# Altium PCB PCB_SDR.PcbDoc (part 3 of 6) (continued)
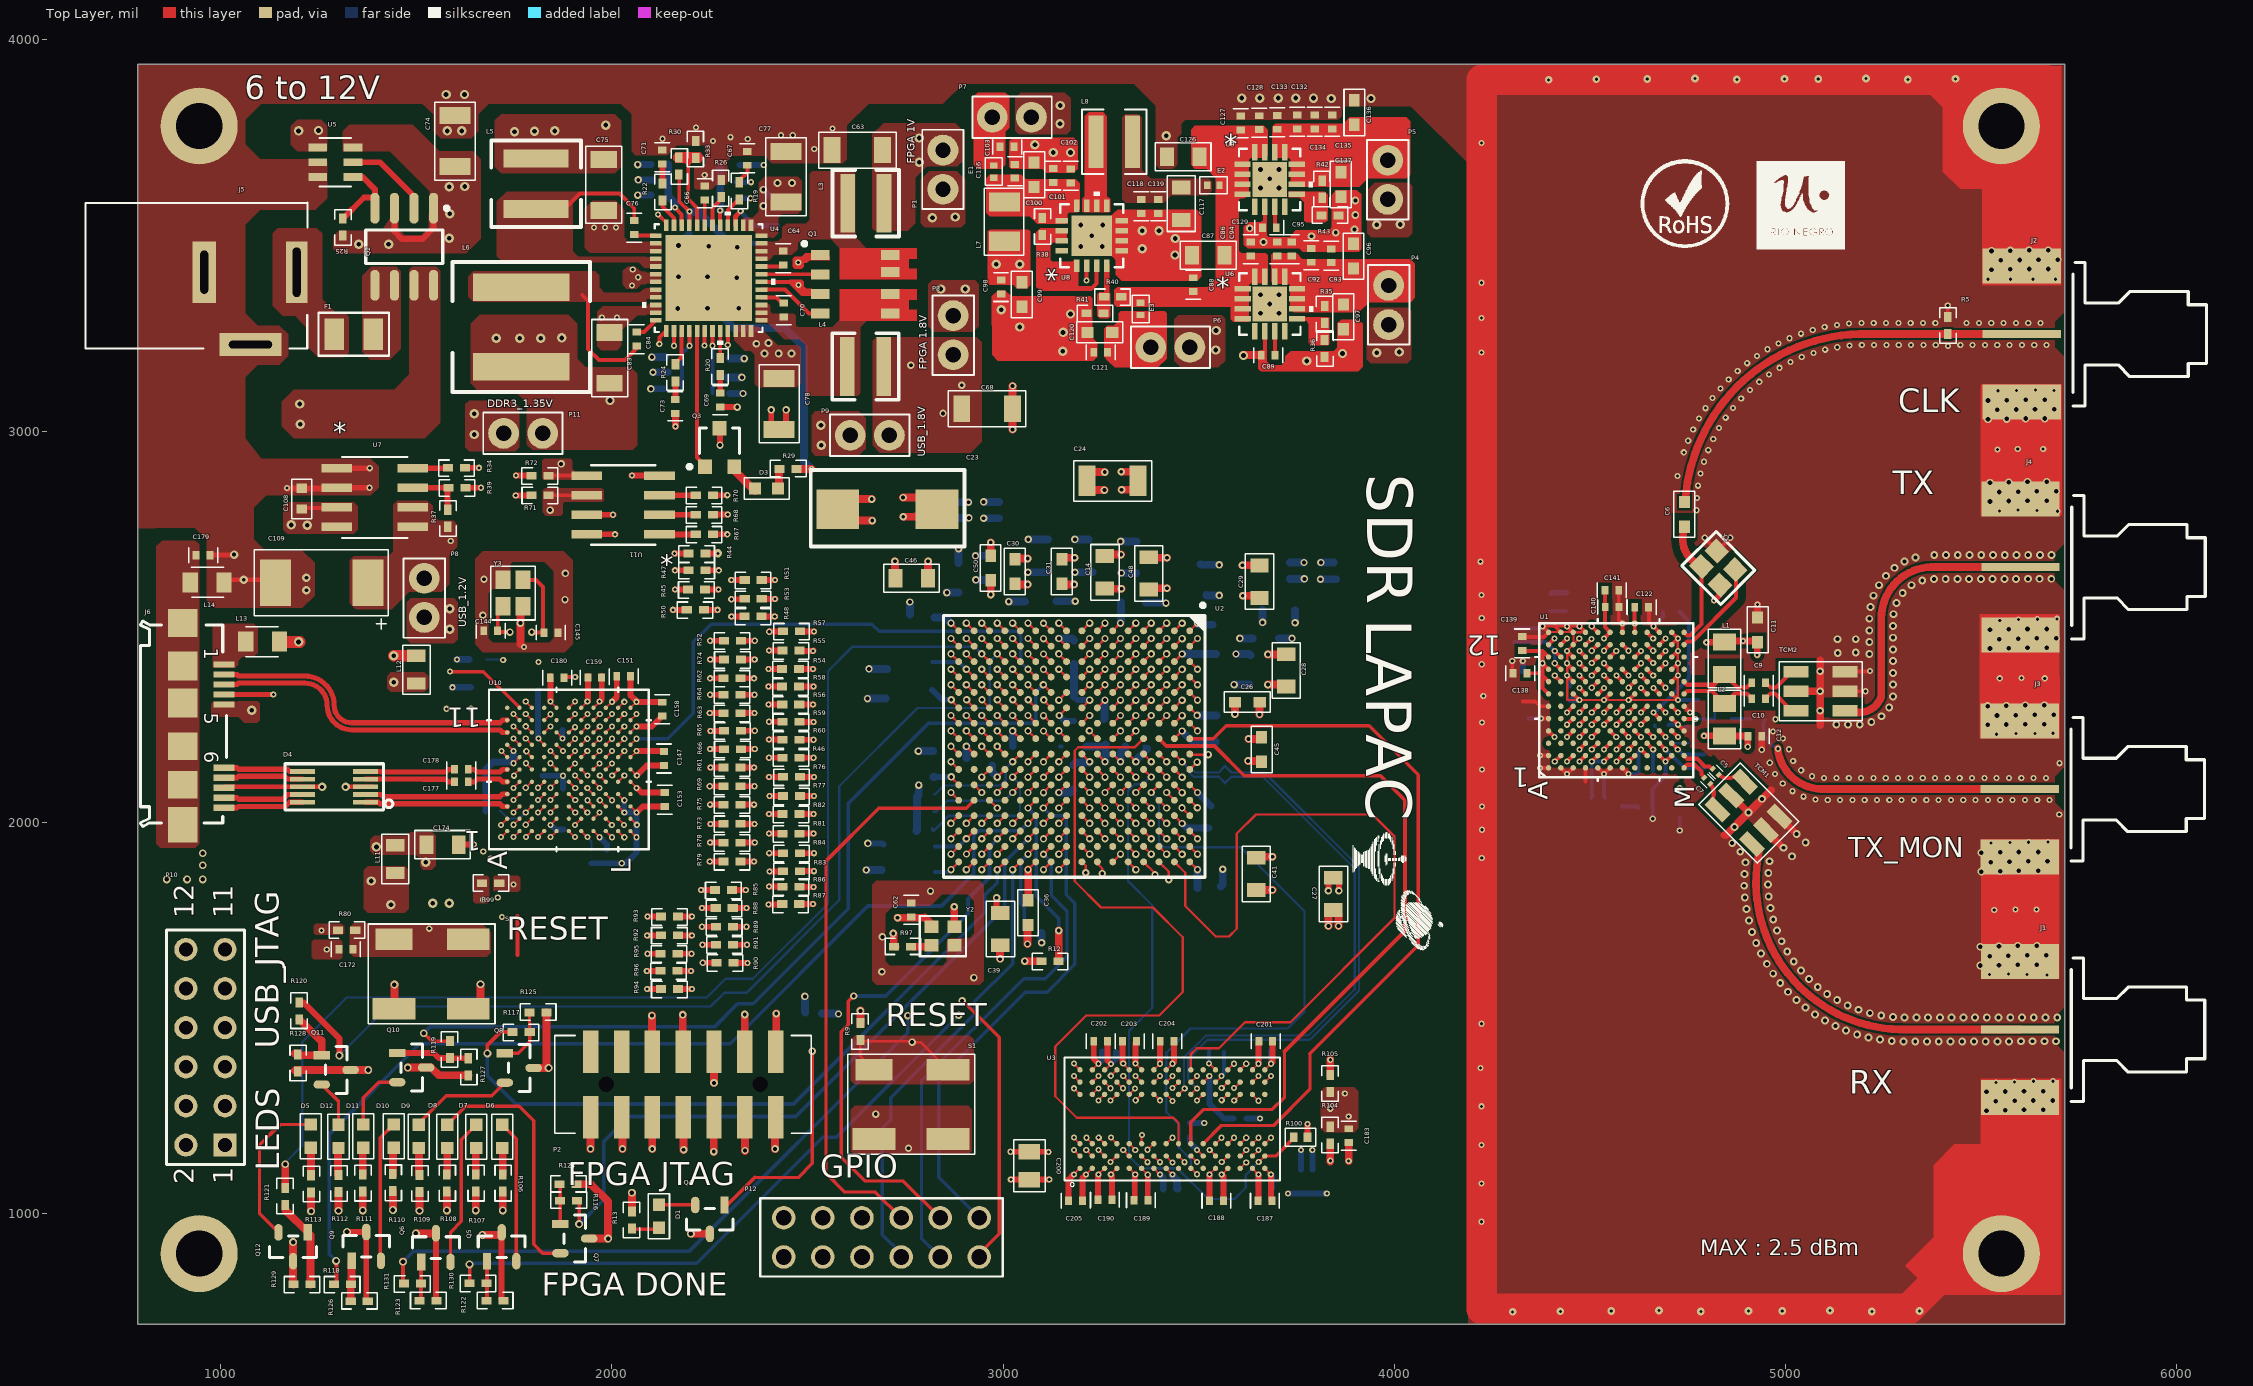
[diagram p0: Top Layer view]
## Nets (pads, with @x,y where several pads share a name; then routed paths per layer and width w, separated by ;. In a path a pad name is that pad's centre, name@x,y a point inside that pad or via, vN(x,y) a via of type N, cw(c..) or ccw(c..) an arc to the next point about the centre after c; other vN are vias at no path point) (continued)
DDR3_DQ1: U2.E16 U3.F7 | length 1315.1
  Top Layer w5: v1@3338.4,1289.57 3338.45,1289.62 U3.F7@3353.61,1304.4 3353.88,1304.66 U3.F7@3354.15,1304.93
  Top Layer w6: U2.E16@3320,1898.11 U2.E16@3319.29,1898.82 v2(3338.98,1879.13)
  Signal 1 w4.15: v1(3338.5,1289.57) 3321.15,1272.22 3321.15,1254.15 3292.52,1225.52 3292.52,1188.52 3257.42,1153.42 3257.42,1084.42 3241,1068 3241,1037 3251,1027 3278,1027 3292,1041 3292,1120 3321,1149 3321,1224 3364.73,1267.73 3364.73,1398.27 3307,1456 3307,1472 3301,1478 3301,1512 3333,1544 3333,1869 3338.98,1874.98 v2(3338.98,1879.13)
DDR3_DQ2: U2.E12 U3.F2 | length 1311
  Top Layer w5: U3.F2@3353.61,1146.92 v1@3368.91,1131.23
  Top Layer w6: U2.E12@3319.29,2056.3 v2(3338.98,2036.61)
  Signal 1 w4.15: v2(3338.98,2036.61) 3338.98,2039.98 3356,2057 3520,2057 3544,2033 3544,2002 3544,1991.3 cw(c3541.55,1978.22) 3544,1965.15 ccw(c3544,1952.07) 3544,1939 3544,1917.18 3530.85,1904.03 3530.85,1847.82 3531,1847.67 3531,1847 3553.85,1824.15 3553.85,1428.03 3535.73,1409.91 3515.17,1409.91 3478,1372.74 3478,1295 3404.15,1221.15 3404.15,1158.15 3377.28,1131.28 v1(3368.96,1131.28)
DDR3_DQ3: U2.F13 U3.F8 | length 1319.9
  Top Layer w5: v1@3338.25,1351.65 3338.3,1351.59 U3.F8@3353.61,1335.9
  Top Layer w6: U2.F13@3279.92,2016.93 v2(3299.61,1997.24)
  Signal 1 w4.15: v2(3299.61,1997.24) 3318.85,1978 3318.85,1908.85 3292.27,1882.27 3292.27,1711.08 3307.85,1695.51 3307.85,1566.85 3284.56,1543.56 cw(c3276.26,1555.42) 3265.23,1546.04 3195.98,1615.3 3180.3,1615.3 3155,1590 3155,1575.82 3235.64,1495.18 3235.64,1483.64 3228,1476 3218,1476 3161,1533 3137,1533 3123.27,1519.27 3123.27,1471.73 3161.73,1433.27 3195.96,1433.27 3230.24,1399 3314,1399 3323,1390 3323,1366.8 v1(3338.25,1351.54)
DDR3_DQ4: U2.E11 U3.H3 | length 1318.9
  Top Layer w5: U3.H3@3416.6,1178.42 v1@3432.29,1193.72
  Top Layer w6: v2(3299.61,2075.98) U2.E11@3319.29,2095.67
  Signal 1 w4.15: v2(3299.61,2075.98) 3302.98,2075.98 3319,2092 3319,2123 3332,2136 3476,2136 3580,2032 3580,1399 3542,1361 3542,1295 3442,1195 v1@3433.47,1195
  other v1: 3432.24,1193.77
DDR3_DQ5: U2.E13 U3.H8 | length 1317.7
  Top Layer w5: U3.H8@3416.74,1335.75 3417,1336 v1(3432.39,1351.1) v1@3432.49,1351.1
  Top Layer w6: U2.E13@3319.29,2016.93 v2(3338.98,1997.24)
  Signal 1 w4.15: v2(3338.98,1997.24) 3355.22,1981 3425,1981 3440,1966 3440,1864 3476,1828 3476,1809 3476,1784.42 cw(c3468.6,1784.42) 3468.6,1777.02 3428.56,1777.02 ccw(c3428.56,1769.62) 3421.16,1769.62 3421.16,1763.27 ccw(c3428.56,1763.27) 3428.56,1755.87 3476,1755.87 3519.44,1755.87 cw(c3519.44,1748.47) 3526.84,1748.47 3526.84,1742.12 cw(c3519.44,1742.12) 3519.44,1734.72 3476,1734.72 3428.56,1734.72 ccw(c3428.56,1727.32) 3421.16,1727.32 3421.16,1720.98 ccw(c3428.56,1720.98) 3428.56,1713.57 3468.6,1713.57 cw(c3468.6,1706.17) 3476,1706.17 3476,1703 3476,1698 3439.15,1661.15 3405.15,1661.15 3389,1645 3389,1618.82 3406.97,1600.85 3515.15,1600.85 3526.85,1589.15 3526.85,1441.85 3519.2,1434.2 3497.2,1434.2 3448,1385 3448,1369 3432.39,1353.39 v1(3432.39,1351.1)
DDR3_DQ6: U2.D11 U3.G2 | length 1318.5
  Top Layer w5: U3.G2@3385.1,1146.92 3400.41,1131.23 v1@3400.46,1131.17
  Top Layer w6: v2(3338.98,2075.99) U2.D11@3358.66,2095.67
  Signal 1 w4.15: v2(3338.98,2075.99) 3355,2092.01 3502.38,2092.01 3567,2027.39 3567,1923 3543,1899 3543,1853 3566,1830 3566,1423 3540.76,1397.76 3520.2,1397.76 3512.03,1389.59 3512.03,1389.03 3511,1388 3511,1283 3487,1259 3470,1259 3418,1207 3418,1147 3402.28,1131.28 v1(3400.46,1131.28)
DDR3_DQ7: U2.F12 U3.H7 | length 1316.6
  Top Layer w5: U3.H7@3417.4,1303.6 v1@3432.7,1287.9
  Top Layer w6: U2.F12@3279.92,2056.3 v2(3299.61,2036.61)
  Signal 1 w4.15: v2(3299.61,2036.61) 3300.39,2036.61 3318,2019 3504,2019 3516,2007 3516,1841.52 3539,1818.52 3539,1660 3528,1649 3411,1649 3401.15,1639.15 3401.15,1623.85 3412,1613 3529,1613 3539,1603 3539,1431 3530.06,1422.06 3508.06,1422.06 3462,1376 3462,1362 3448,1348 3448,1302 3433.95,1287.95 v1(3432.76,1287.95) v1@3432.05,1287.95
DDR3_DQ8: U2.H16 U3.D7 | length 1309.7
  Top Layer w5: v1@3274.41,1288.8 3290,1304 U3.D7@3290.11,1304.11
  Top Layer w6: U2.H16@3201.18,1898.82 3211,1889 v2(3211,1871)
  Signal 1 w4.15: v2(3211,1871) 3211,1825 3204,1818 3204,1812 3204,1807.17 3204,1798.83 cw(c3197.18,1798.83) 3197.18,1792.02 3178.85,1792.02 ccw(c3178.85,1785.2) 3172.04,1785.2 3172.04,1783.69 ccw(c3178.85,1783.69) 3178.85,1776.87 3204,1776.87 3207.2,1776.87 cw(c3207.2,1770.05) 3214.02,1770.05 3214.02,1768.54 cw(c3207.2,1768.54) 3207.2,1761.72 3204,1761.72 3193.8,1761.72 ccw(c3193.8,1754.91) 3186.98,1754.91 3186.98,1753.39 ccw(c3193.8,1753.39) 3193.8,1746.57 3197.18,1746.57 cw(c3197.18,1739.76) 3204,1739.76 3204,1739 3204,1727 3190,1713 3174,1713 3169,1718 3169,1741 3156,1754 3133,1754 3115,1736 3115,1669 3095,1649 3095,1619 3065.15,1589.15 3065.15,1491.15 2943.3,1369.3 2943.3,1297.7 2985.15,1255.85 3258.85,1255.85 3274.46,1271.46 v1(3274.46,1288.75)
DDR3_DQ9: U2.H12 U3.C3 | length 1315.6
  Top Layer w5: v1@3244.08,1193.84 U3.C3@3259.12,1178.42
  Top Layer w6: U2.H12@3201.18,2056.3 v2(3220.87,2036.61)
  Signal 1 w4.15: v2(3220.87,2036.61) 3170.7,1986.45 3170.7,1847.7 3023.85,1700.85 3023.85,1513.85 2901,1391 2901,1286 2974,1213 3228,1213 3244.03,1196.97 v1(3244.03,1193.79)
DDR3_DQ10: U2.H14 U3.C8 | length 1319.6
  Top Layer w5: U3.C8@3259.12,1335.9 3259.22,1335.79 3274.42,1320.2 v1@3274.47,1320.15
  Top Layer w6: U2.H14@3201.18,1977.56 v2(3220.87,1957.88)
  Signal 1 w4.15: v2(3220.87,1957.88) 3195,1932.01 3195,1834 3080,1719 3080,1634 3053,1607 3053,1499 2931.15,1377.15 2931.15,1291.03 2982.18,1240 3287,1240 3309,1262 3309,1285.72 v1(3274.47,1320.25) v1@3274.47,1322.53
DDR3_DQ11: U2.J16 U3.C2 | length 1314.3
  Top Layer w5: v1(3243.76,1162.57) 3258.64,1147.41 U3.C2@3259.12,1146.92
  Top Layer w6: v2(3142.13,1879.13) U2.J16@3161.81,1898.82
  Signal 1 w4.15: v2(3142.13,1879.13) 3142.13,1855.13 2975,1688 2975,1507 2812.15,1344.15 2812.15,1221.85 2872,1162 2966,1162 2983,1179 3081,1179 3081.33,1179.33 3227,1179.33 v1(3243.76,1162.57)
DDR3_DQ12: U2.G16 U3.A7 | length 1319
  Top Layer w5: v1@3180.77,1320.15 3180.82,1320.1 U3.A7@3196.13,1304.4
  Top Layer w6: U2.G16@3240.55,1898.82 3240.55,1894.45 3253,1882 v2(3253,1869)
  Signal 1 w4.15: v1(3180.77,1320.05) 3177.05,1320.05 3165,1308 3125,1308 3075.74,1308 ccw(c3075.74,1300.43) 3068.17,1300.43 3068.17,1298.2 cw(c3060.59,1298.2) 3060.59,1290.62 cw(c3060.59,1298.2) 3053.02,1298.2 3053.02,1308 3053.02,1402.72 ccw(c3045.44,1402.72) 3045.44,1410.29 ccw(c3045.44,1402.72) 3037.87,1402.72 3037.87,1308 3037.87,1298.2 cw(c3030.3,1298.2) 3030.3,1290.62 cw(c3030.3,1298.2) 3022.72,1298.2 3022.72,1308 3022.72,1372.42 ccw(c3015.15,1372.42) 3015.15,1380 ccw(c3015.15,1372.42) 3007.57,1372.42 3007.57,1315.57 cw(c3000,1315.57) 3000,1308 2990,1308 2977,1321 2977,1368.64 3089.44,1481.08 3089.44,1577.44 3253,1741 v2(3253,1869)
DDR3_DQ13: U2.J15 U3.A2 | length 1318
  Top Layer w5: v1@3180.69,1162.54 3180.74,1162.49 U3.A2@3196.02,1146.82
  Top Layer w6: v2(3142.13,1918.5) U2.J15@3161.81,1938.19
  Signal 1 w4.15: v2(3142.13,1918.5) 3142.13,1918.13 3120,1896 3120,1860 2958,1698 2958,1510 2800,1352 2800,1209 2867,1142 3160.25,1142 v1(3180.69,1162.44)
DDR3_DQ14: U2.G12 U3.B8 | length 1305
  Top Layer w5: U3.B8@3227.62,1335.9 v1@3243.32,1351.2
  Top Layer w6: U2.G12@3240.55,2056.3 v2(3260.24,2036.61)
  Signal 1 w4.15: v1(3243.27,1351.25) 3257.52,1337 3257.52,1279.52 3250,1272 2988,1272 2956.09,1303.91 2956.09,1364.91 3077.3,1486.12 3077.3,1582.48 3232,1737.18 3232,1879 3242,1889 3242,2018.38 v2(3260.24,2036.61) v2@3261.39,2036.61
DDR3_DQ15: U2.H11 U3.A3 | length 1318.3
  Top Layer w5: v1@3180.77,1194.17 v1(3180.77,1194.06) U3.A3@3196.13,1178.42
  Top Layer w6: U2.H11@3201.18,2095.67 v2(3220.87,2075.98)
  Signal 1 w4.15: v1(3180.77,1194.06) 2968.94,1194.06 2884,1279 2884,1392 3011.7,1519.7 3011.7,1705.88 3158.56,1852.74 3158.56,2013.67 v2(3220.87,2075.98)
DDR3_DQS0_N: U2.D15 U3.G3 | length 1305.8
  Top Layer w5: v1@3369.41,1163.11 3384.68,1178.01 3384.85,1178.17 U3.G3@3385.1,1178.42
  Top Layer w6: U2.D15@3358.66,1938.19 v2(3378.35,1918.5)
  Signal 1 w4.4: v1(3368.75,1163.06) 3379.4,1173.72 3379.4,1253.16 3385.4,1259.16 3385.4,1390.52 3410.4,1415.52 3410.4,1440.82 cw(c3415.44,1440.82) 3415.44,1445.86 3463.68,1445.86 ccw(c3463.68,1459.3) 3477.12,1459.3 3477.12,1467.22 ccw(c3463.68,1467.22) 3463.68,1480.66 3330.01,1480.66 cw(c3330.01,1485.7) 3324.97,1485.7 3324.97,1493.62 cw(c3330.01,1493.62) 3330.01,1498.66 3487.03,1498.66 ccw(c3487.03,1512.1) 3500.47,1512.1 3500.47,1520.02 ccw(c3487.03,1520.02) 3487.03,1533.46 3415.44,1533.46 cw(c3415.44,1538.5) 3410.4,1538.5 3410.4,1550.6 3357.4,1603.6 3357.4,1703.52 3368,1714.12 3368,1907 3378.35,1917.35 v2(3378.35,1918.5)
DDR3_DQS0_P: U2.D14 U3.F3 | length 1313.4
  Top Layer w5: U3.F3@3353.61,1178.42 3353.61,1178.77 3353.61,1179.01 v1@3353.88,1200.34
  Top Layer w6: U2.D14@3358.66,1977.56 v2(3378.35,1957.87)
  Signal 1 w4.4: v1(3354.31,1200.84) 3371,1217.53 3371,1256.64 3377,1262.64 3377,1394 3402,1419 3402,1440.82 cw(c3415.44,1440.82) 3415.44,1454.26 3463.68,1454.26 ccw(c3463.68,1459.3) 3468.72,1459.3 3468.72,1467.22 ccw(c3463.68,1467.22) 3463.68,1472.26 3330.01,1472.26 cw(c3330.01,1485.7) 3316.57,1485.7 3316.57,1493.62 cw(c3330.01,1493.62) 3330.01,1507.06 3487.03,1507.06 ccw(c3487.03,1512.1) 3492.07,1512.1 3492.07,1520.02 ccw(c3487.03,1520.02) 3487.03,1525.06 3415.44,1525.06 cw(c3415.44,1538.5) 3402,1538.5 3402,1547.12 3349,1600.12 3349,1707 3359.6,1717.6 3359.6,1939.13 v2(3378.35,1957.87)
DDR3_DQS1_N: U2.F14 U3.B7 | length 1312.2
  Top Layer w5: U3.B7@3227.62,1304.4 v1@3243.32,1319.71
  Top Layer w6: U2.F14@3279.92,1977.56 v2(3299.61,1957.87)
  Signal 1 w4.4: v1(3243.27,1319.76) 3232.11,1308.6 3224,1308.6 3210,1322.6 3210,1400 3189,1421 3161.12,1421 3138.52,1398.4 3105.48,1398.4 3091.4,1412.48 3091.4,1445.4 3111,1465 3111,1569.76 3181.97,1640.73 cw(c3185.29,1637.42) 3188.6,1640.73 3265.99,1563.34 ccw(c3275.25,1572.6) 3284.51,1563.34 3289.89,1568.73 ccw(c3280.64,1577.99) 3293.73,1577.99 ccw(c3280.64,1577.99) 3289.89,1587.24 3212.5,1664.63 cw(c3215.82,1667.95) 3212.5,1671.27 3217.89,1676.66 cw(c3221.21,1673.34) 3224.52,1676.66 3265.99,1635.19 ccw(c3275.25,1644.44) 3284.51,1635.19 3289.89,1640.57 ccw(c3280.64,1649.83) 3293.73,1649.83 ccw(c3280.64,1649.83) 3289.89,1659.09 3264.81,1684.17 cw(c3268.12,1687.49) 3264.81,1690.81 3280,1706 3280,1938.27 3289,1947.27 ; 3288.73,1947.27 3289,1947.27 ; v2@3295.87,1957.87 v2(3299.61,1957.87) 3289,1947.27
DDR3_DQS1_P: U2.G14 U3.C7 | length 1318.7
  Top Layer w5: v1@3243.42,1289.1 U3.C7@3259.12,1304.4
  Top Layer w6: U2.G14@3240.55,1977.56 v2(3260.24,1957.87)
  Signal 1 w4.4: v1(3243.27,1289.05) 3232.11,1300.2 3220.52,1300.2 3201.6,1319.12 3201.6,1396.52 3185.52,1412.6 3164.6,1412.6 3142,1390 3102,1390 3083,1409 3083,1448.88 3102.6,1468.48 3102.6,1573.24 3176.03,1646.67 cw(c3185.29,1637.42) 3194.54,1646.67 3271.93,1569.28 ccw(c3275.25,1572.6) 3278.57,1569.28 3283.95,1574.67 ccw(c3280.64,1577.99) 3285.33,1577.99 ccw(c3280.64,1577.99) 3283.95,1581.3 3206.56,1658.69 cw(c3215.82,1667.95) 3206.56,1677.21 3211.95,1682.6 cw(c3221.21,1673.34) 3230.46,1682.6 3271.93,1641.13 ccw(c3275.25,1644.44) 3278.57,1641.13 ; v2(3260.24,1957.87) 3260.24,1952.76 3271.6,1941.4 3271.6,1709.48 3258.87,1696.75 ccw(c3268.12,1687.49) 3258.87,1678.23 3283.95,1653.15 cw(c3280.64,1649.83) 3285.33,1649.83 cw(c3280.64,1649.83) 3283.95,1646.51 3278.57,1641.12
DDR3_ODT: U2.C11 U3.K1 | length 1627.6
  Top Layer w5: U3.K1@3480,1116 3480.09,1115.91 3495.3,1100.3 v1@3495.35,1100.25
  Top Layer w6: v2(3378.35,2075.98) U2.C11@3398.03,2095.67
  Bottom Layer w5: v1(3495.35,1100.35) v1@3495.35,1101.65
  Bottom Layer w6: v2(3378.35,2075.98) 3378.35,2075.65 3398,2056 3398,1949 3411,1936 3606.74,1936 3770,1772.74 3770,1516 3727,1473 3479,1473 3417,1411 3417,1259 3450,1226 3450,1168 3480,1138 3480,1115.71 v1(3495.35,1100.35)
DDR3_RAS: U2.D8 U3.J3 | length 1905.1
  Top Layer w5.91: U2.D8@3358.66,2213.78 3337,2192.12 3337,2192 3192,2192 3183,2183 3183,1849 3250,1782 3383,1782 3459,1706 3459,1566 3399,1506 3212,1506 3133,1427 3133,1300 3188,1245 3435,1245 3448.09,1231.91 U3.J3@3448.09,1178.42
DDR3_RESET: R100.1 U2.D10 U3.T2 | length 1627.3
  Top Layer w5: v1(3652.92,1131.57) U3.T2@3668.57,1146.92
  Top Layer w6: U2.D10@3358.58,2135.34 3358.77,2135.15 v2(3378.27,2115.65)
  Top Layer w8.6: U3.T2@3668.57,1146.92 3695.92,1146.92 R100.1@3735.5,1186.5
  Signal 2 w4.15: v1@3651.57,1131.57 v1(3652.92,1131.57)
  Bottom Layer w6: v2(3378.27,2115.65) 3376.65,2115.65 3358,2097 3336,2097 3319,2080 3319,1850 3381,1788 3381,1526 3321.63,1466.63 3321.63,1272.37 3321.63,1146.37 3352.45,1115.55 3406.99,1115.55 3407.06,1115.48 3445.52,1115.48 3524,1037 3591,1037 3620,1066 3620,1098.65 v1(3652.92,1131.57)
DDR3_WE: U2.A8 U3.L3 | length 1899.4
  Top Layer w8.6: U2.A8@3476.77,2213.78 3536.78,2213.78 3570,2247 3935,2247 4061,2121 4061,1686 3783.5,1408.5 ; U3.L3@3511.09,1178.42 3557.67,1225 3691,1225 3784,1318 3784,1409
DL1: Q1.2 U4.31 | length 138.7
  Top Layer w10: U4.31@2382.19,3400.79 2520.08,3400.79 Q1.2@2520.67,3400.2
DL2: Q1.4 U4.29 | length 163.8
  Top Layer w10: U4.29@2382.19,3361.42 2442.58,3361.42 2503.8,3300.2 Q1.4@2520.67,3300.2
EN_AGC: U1.G5 U2.C7 | length 2634
  Top Layer w6: U2.C7@3398.03,2253.15 v2(3417.72,2272.83)
  Top Layer w10: v1@4566.93,2249.21 v1(4567.13,2249.41) U1.G5@4582.68,2264.96
  Signal 1 w4.15: v2@3419.17,2272.83 v2(3417.72,2272.83) 3417.72,2247.28 3449,2216 3535,2216 3774,1977 3774,1516 3848,1442 4532,1442 4582.85,1492.85 4582.85,2230.82 4564.26,2249.41 v1(4567.13,2249.41)
ENABLE_1V: R114.1 R115.2 U4.39 | length 152.9
  Top Layer w12: U4.39@2315.94,3526.09 2315.94,3548.94 v1(2329,3562)
  Bottom Layer w12: v1(2329,3562) 2329,3559.76 2363.53,3525.24 R114.1@2424,3525.24
ENABLE_AD9364: U1.G6 U2.D5 | length 2908.7
  Top Layer w6: U2.D5@3358.66,2331.89 v2(3378.35,2351.57)
  Top Layer w10: v1@4566.93,2280.71 v1(4567.13,2280.91) U1.G6@4582.68,2296.46
  Signal 1 w4.15: v1@4567.13,2280.28 v1(4567.13,2280.91)
  Signal 2 w4.15: v2(3378.35,2351.57) 3397.92,2332 3521,2332 3583,2394 3611,2394 3621,2384 3621,2334 3642,2313 3673,2313 3694,2334 3694,2381 3703,2390 3728,2390 3742,2376 3742,2284 3753.5,2272.5 cw(c3766.63,2259.37) 3779.77,2246.23 ccw(c3792.9,2233.1) 3806.04,2219.96 cw(c3819.17,2206.83) 3832.3,2193.7 ccw(c3845.44,2180.56) 3858.57,2167.43 cw(c3871.7,2154.3) 3884.84,2141.16 ccw(c3897.97,2128.03) 3911.11,2114.89 cw(c3924.24,2101.76) 3937.37,2088.63 ccw(c3950.51,2075.49) 3963.64,2062.36 cw(c3976.77,2049.23) 3989.91,2036.09 ccw(c4003.04,2022.96) 4016.18,2009.82 4042.44,1983.56 4043.5,1982.5 4045,1981 4045,1746 4063,1728 4073,1728 cw(c4090.57,1728) 4108.15,1728 ccw(c4125.72,1728) 4143.3,1728 cw(c4160.87,1728) 4178.44,1728 ccw(c4196.02,1728) 4213.59,1728 cw(c4231.17,1728) 4248.74,1728 ccw(c4266.31,1728) 4283.89,1728 cw(c4301.46,1728) 4319.04,1728 ccw(c4336.61,1728) 4354.18,1728 cw(c4371.76,1728) 4389.33,1728 ccw(c4406.91,1728) 4424.48,1728 cw(c4442.05,1728) 4459.63,1728 4487,1728 4504,1728 4551.85,1775.85 4551.85,1864 ; 4551.85,1865.15 4551.85,1901 4551.85,1924.11 cw(c4551.85,1938.69) 4551.85,1953.26 ccw(c4551.85,1967.83) 4551.85,1982.41 cw(c4551.85,1996.98) 4551.85,2011.56 ccw(c4551.85,2026.13) 4551.85,2040.7 cw(c4551.85,2055.28) 4551.85,2069.85 ccw(c4551.85,2084.43) 4551.85,2099 4551.85,2265.63 v1(4567.13,2280.91)
ESDSSRX_N: D4.1 U10.A3 | length 366.1
  Top Layer w13: D4.1@1370.61,2051.21 1403.34,2051.21 1407.26,2047.3 1713.54,2047.3 1720.28,2040.55 U10.A3@1732.28,2040.55
ESDSSRX_P: D4.2 U10.A4 | length 366.8
  Top Layer w13: D4.2@1370.61,2070.9 1409.11,2070.9 1414.71,2065.3 1713.54,2065.3 1720.28,2072.05 U10.A4@1732.28,2072.05
ESDSSTX_N: C178.1 D4.5 | length 230.4
  Top Layer w13: D4.5@1370.61,2129.95 1409.11,2129.95 1410.8,2128.27 1525.73,2128.27 1526,2128 1574.93,2128 1581.93,2135 C178.1@1597.28,2135
ESDSSTX_P: C177.1 D4.4 | length 229.7
  Top Layer w13: D4.4@1370.61,2110.27 1518.28,2110.27 1518.54,2110 1574.93,2110 1581.93,2103 C177.1@1597.28,2103
F_CTL0: R62.1 U2.P4 | length 842.1
  Top Layer w6: v2(2945.28,2390.95) U2.P4@2964.96,2371.26
  Top Layer w15: R62.1@2329,2368 v1(2363,2368) v1@2364,2368
  Signal 1 w4.15: v1(2363,2368) 2403,2368 2461,2426 2461,2494 2535,2568 2701,2568 2858,2411 2924,2411 v2@2944.05,2390.95
  Signal 2 w4.15: v2@2943.06,2390.95 v2(2945.28,2390.95)
F_CTL1: R63.1 U2.T5 | length 815.4
  Top Layer w6: v2(2866.54,2351.57) U2.T5@2886.22,2331.89
  Top Layer w15: R63.1@2329,2279 v1(2364,2279) v1@2365,2279
  Signal 1 w4.15: v1(2364,2279) 2527,2279 2552,2304 2552,2465 2589,2502 2678,2502 2828.43,2351.57 v2(2866.54,2351.57)
F_CTL2: R64.1 U2.T4 | length 793.2
  Top Layer w6: v2(2866.54,2390.95) U2.T4@2886.22,2371.26
  Top Layer w15: R64.1@2329,2326 v1(2364,2326) v1@2365,2326
  Signal 1 w4.15: v1(2364,2326) 2447,2326 2485.5,2364.5 2485.5,2486.5 2545,2546 2694,2546 2849.05,2390.95 v2(2866.54,2390.95)
F_CTL3: R65.1 U2.R5 | length 870
  Top Layer w6: v2(2905.91,2351.57) U2.R5@2925.59,2331.89
  Top Layer w15: R65.1@2330,2234 v1(2365,2234) v1@2366,2234
  Signal 1 w4.15: v1(2365,2234) 2519,2234 2568,2283 2568,2441 2607,2480 2671,2480 2820,2331 2885.33,2331 v2(2905.91,2351.57)
  Signal 2 w4.15: v2(2905.91,2351.57) v2@2905.91,2352.09
F_CTL4: R66.1 U2.T7 | length 806.2
  Top Layer w6: v2(2866.54,2272.83) U2.T7@2886.22,2253.15
  Top Layer w15: R66.1@2330,2187 v1(2365,2187) v1@2366,2187
  Signal 1 w4.15: v1(2365,2187) 2553,2187 2607,2241 2607,2389 2634,2416 2672,2416 2815.17,2272.83 v2(2866.54,2272.83)
F_CTL5: R69.1 U2.R7 | length 881.4
  Top Layer w6: v2(2905.91,2272.83) U2.R7@2925.59,2253.15
  Top Layer w15: R69.1@2328.76,2092 v1(2364,2092)
  Signal 2 w4.15: v1(2364,2092) 2432,2092 2474,2134 2535,2134 2591,2078 2591,2037 2622,2006 2669,2006 2698,2035 2698,2156 2795,2253 2887,2253 2905.91,2271.91 v2(2905.91,2272.83)
F_CTL6: R73.1 U2.T9 | length 855.5
  Top Layer w6: v2(2866.54,2194.09) U2.T9@2886.22,2174.41
  Top Layer w15: R73.1@2329,1996 v1(2364,1996) v1@2365,1996
  Signal 2 w4.15: v1(2364,1996) 2433,1996 2478,2041 2541,2041 2554,2028 2554,1958 2593,1919 2666,1919 2739,1992 2739,2103 2830.09,2194.09 v2(2866.54,2194.09)
F_CTL7: R74.1 U2.R3 | length 782
  Top Layer w6: v2(2905.91,2430.32) U2.R3@2925.59,2410.63
  Top Layer w15: R74.1@2329.76,2416 v1(2364.76,2416) v1@2365.76,2416
  Signal 1 w4.15: v1(2364.76,2416) 2409,2416 2434,2441 2434,2507 2514,2587 2713,2587 2849.39,2450.61 2885.61,2450.61 v2(2905.91,2430.32)
  Signal 2 w4.15: v2@2903.32,2430.32 v2(2905.91,2430.32)
F_CTL8: R75.1 U2.R8 | length 878.8
  Top Layer w6: v2(2905.91,2233.46) U2.R8@2925.59,2213.78
  Top Layer w15: R75.1@2329,2045 v1(2363,2045) v1@2364,2045
  Signal 2 w4.15: v1(2363,2045) 2425,2045 2468,2088 2531,2088 2571,2048 2571,2007 2603,1975 2677,1975 2718,2016 2718,2148 2783,2213 2883,2213 2903.46,2233.46 v2(2905.91,2233.46)
F_CTL9: R76.1 U2.P5 | length 846
  Top Layer w6: v2(2945.28,2351.57) U2.P5@2964.96,2331.89
  Top Layer w15: R76.1@2480,2116 v1(2516,2116) v1@2517,2116
  Signal 1 w4.15: v1(2516,2116) 2624,2224 2624,2352 2641,2369 2691,2369 2809,2251 2955,2251 2964.85,2260.85 2964.85,2332 v2(2945.28,2351.57) v2@2944.57,2351.57
F_CTL10: R77.1 U2.N6 | length 813.8
  Top Layer w6: v2@2983.31,2312.57 2984,2311.89 U2.N6@3003,2292.89
  Top Layer w15: R77.1@2481,2067 v1(2516,2067) v1@2517,2067
  Signal 1 w4.15: v1(2516,2067) 2517,2066 2568,2066 2661,2159 2661,2239 2693,2271 2734,2271 2792,2213 2994,2213 3005,2224 3005,2295 2987,2313 v2(2985.11,2313)
  Signal 2 w4.15: v2@2985.11,2311.11 v2(2985.11,2313)
F_CTL11: R78.1 U2.T10 | length 796.1
  Top Layer w6: v2(2866.54,2154.72) U2.T10@2886.22,2135.04
  Top Layer w15: R78.1@2329,1948 v1(2365,1948)
  Signal 2 w4.15: v1(2365,1948) 2432,1948 2481,1899 2535,1899 2589,1845 2639,1845 2803,2009 2803,2111 2846.72,2154.72 v2(2866.54,2154.72)
F_CTL12: R79.1 U2.R11 | length 828.6
  Top Layer w6: U2.R11@2925.59,2095.67 v2(2945.28,2075.98)
  Top Layer w15: R79.1@2328,1900 R79.1@2328.76,1900 v1(2363,1900) v1@2364,1900
  Signal 2 w4.15: v1(2363,1900) 2434,1900 2469,1865 2469,1832 2487,1814 2541,1814 2564,1791 2619,1791 2903.98,2075.98 v2(2945.28,2075.98)
F_DQ0: R44.1 U2.N1 | length 862
  Top Layer w6: v2(2984.65,2509.06) U2.N1@3004.33,2489.37
  Top Layer w15: R44.1@2235,2687 R44.1@2238.76,2687 v11(2271,2687) v11@2272,2687
  Signal 1 w4.15: v11@2271,2685 v11(2271,2687)
  Signal 2 w4.15: v11(2271,2687) 2820,2687 2984.65,2522.35 v2(2984.65,2509.06)
F_DQ1: R45.1 U2.R1 | length 731.6
  Top Layer w6: v2(2905.91,2509.06) U2.R1@2925.59,2489.37
  Top Layer w15: R45.1@2237.76,2595 v1(2272,2595)
  Signal 2 w4.15: v1(2272,2595) 2819.96,2595 v2(2905.91,2509.06)
F_DQ2: R46.1 U2.T8 | length 660.9
  Top Layer w6: v2(2866.54,2233.46) U2.T8@2886.22,2213.78
  Top Layer w15: R46.1@2479,2165 R46.1@2479.76,2165 v1(2515,2165) v1@2516,2165
  Signal 1 w4.15: v1(2515,2165) 2486,2136 2486,2107 2500,2093 2555,2093 2641,2179 2641,2241 2688,2288 2743,2288 2797.54,2233.46 v2(2866.54,2233.46)
F_DQ3: R47.1 U2.M1 | length 870.5
  Top Layer w6: v2(3024.02,2509.06) U2.M1@3043.7,2489.37
  Top Layer w15: R47.1@2238.76,2644 v1(2273,2644) v1@2274,2644
  Signal 1 w4.15: v1(2273,2644) 2861,2644 2973,2532 3002,2532 3024.02,2509.98 v2(3024.02,2509.06)
F_DQ4: R48.1 U2.R2 | length 728.6
  Top Layer w6: v2(2905.91,2469.69) U2.R2@2925.59,2450
  Top Layer w15: R48.1@2383,2526 v1(2416,2526) v1@2417,2526
  Signal 1 w4.15: v1(2416,2526) 2510,2620 2855,2620 2927,2548 2927,2490.78 v2(2905.91,2469.69)
F_DQ5: R50.1 U2.T2 | length 696.4
  Top Layer w6: v2(2866.54,2469.69) U2.T2@2886.22,2450
  Top Layer w15: R50.1@2235,2543 v1(2270,2543) v1@2271,2543
  Signal 2 w4.15: v1@2271.63,2541.37 v1(2270,2543) 2274,2547 2541,2547 2618.31,2469.69 v2(2866.54,2469.69)
F_DQ6: R51.1 U2.P1 | length 799.2
  Top Layer w6: v2(2945.28,2509.06) U2.P1@2964.96,2489.37
  Top Layer w15: R51.1@2382.76,2619 v1(2417,2619)
  Signal 2 w4.15: v1(2417,2619) 2440,2642 2449,2642 cw(c2468.57,2642) 2488.15,2642 ccw(c2507.72,2642) 2527.3,2642 cw(c2546.87,2642) 2566.44,2642 ccw(c2586.02,2642) 2605.59,2642 cw(c2625.17,2642) 2644.74,2642 ccw(c2664.31,2642) 2683.89,2642 2689,2642 2836,2642 2942.67,2535.33 v2@2942.67,2511.67
F_DQ7: R52.1 U2.T3 | length 780.1
  Top Layer w6: v2(2866.54,2430.32) U2.T3@2886.22,2410.63
  Top Layer w15: R52.1@2331,2464 v1(2365,2464) v1@2366,2464
  Signal 2 w4.15: v1(2365,2464) 2367,2462 2518,2462 2593,2387 2593,2289 2626,2256 2655,2256 2829.32,2430.32 v2(2866.54,2430.32)
F_DQ8: R53.1 U2.M2 | length 716.8
  Top Layer w6: v2(3024.02,2469.69) U2.M2@3043.7,2450
  Top Layer w15: R53.1@2380,2571 R53.1@2382.76,2571 v1(2417,2571) v1@2418,2571
  Signal 1 w4.15: v2(3024.02,2469.69) v2@3024.02,2470.02
  Signal 2 w4.15: v1(2417,2571) 2596,2571 2677,2490 3003.7,2490 v2(3024.02,2469.69) v2@3024.02,2468.02
F_DQ9: R54.1 U2.M4 | length 778.4
  Top Layer w6: v2(3024.02,2390.95) U2.M4@3043.7,2371.26
  Top Layer w15: R54.1@2480,2392 v1@2510,2392 ; v1(2514,2392) v1@2515,2392
  Signal 1 w4.15: v1(2514,2392) v1@2515,2392 ; v2@3024.02,2390.02 v2(3024.02,2390.95)
  Signal 2 w4.15: v1(2514,2392) 2558,2348 2558,2263 2620,2201 2662,2201 2831.93,2370.93 3004,2370.93 v2(3024.02,2390.95)
F_DQ10: R55.1 U2.N4 | length 767.2
  Top Layer w6: v2(2984.65,2390.95) U2.N4@3004.33,2371.26
  Top Layer w15: R55.1@2476,2439 R55.1@2479.76,2439 2480.76,2438 v1(2514,2438) v1@2515,2439
  Signal 1 w4.15: v2@2983.95,2390.95 v2(2984.65,2390.95)
  Signal 2 w4.15: v1(2514,2438) 2577,2375 2577,2275 2622,2230 2658,2230 2837,2409 2965.29,2409 2984.65,2389.65 v2(2984.65,2390.95)
F_DQ11: R56.1 U2.L5 | length 879.8
  Top Layer w6: v2(3063.39,2351.57) U2.L5@3083.07,2331.89
  Top Layer w15: R56.1@2475,2301 v1(2514,2301) v1@2515,2301
  Signal 1 w4.15: v1(2514,2301) 2534,2321 2534,2479 2578,2523 2686,2523 2838,2371 3043.96,2371 v2(3063.39,2351.57) v2@3059.57,2351.57
  Signal 2 w4.15: v2@3063.39,2350.39 v2(3063.39,2351.57) v2@3063.39,2353.61
F_DQ12: R57.1 U2.N2 | length 756.9
  Top Layer w6: v2(2984.65,2469.69) U2.N2@3004.33,2450
  Top Layer w15: R57.1@2476,2488 v1@2517,2488
  Signal 1 w4.15: v2@2982.31,2469.69 v2(2984.65,2469.69)
  Signal 2 w4.15: v1(2516,2488) 2609,2395 2609,2301 2624,2286 2657,2286 2822,2451 2965.29,2451 2984.65,2470.35 v2(2984.65,2469.69) v2@2983.31,2469.69
F_DQ13: R58.1 U2.M5 | length 765.1
  Top Layer w6: v2(3024.02,2351.57) U2.M5@3043.7,2331.89
  Top Layer w15: R58.1@2480,2347 v1(2515,2347) v1@2516,2347
  Signal 1 w4.15: v2@3024.02,2351.02 v2(3024.02,2351.57) v2@3024.02,2353.98
  Signal 2 w4.15: v1(2515,2347) 2542,2320 2542,2246 2613,2175 2664,2175 2821,2332 3007,2332 3024.02,2349.02 v2(3024.02,2351.57)
F_DQ14: R59.1 U2.P6 | length 842.8
  Top Layer w6: v2@2945.28,2312.2 U2.P6@2964.96,2292.52
  Top Layer w15: R59.1@2481,2256 v1@2511,2256 ; v1(2515,2256) v1@2516,2256
  Signal 2 w4.15: v1(2515,2256) 2515,2245 2614,2146 2614,2038 2627,2025 2659,2025 2678,2044 2678,2161 2811,2294 2926.74,2294 v2(2945.74,2313)
F_DQ15: R60.1 U2.R6 | length 736.7
  Top Layer w6: v2@2905.91,2312.2 U2.R6@2925.59,2292.52
  Top Layer w15: R60.1@2479,2211 v1(2515,2211) v1@2516,2211
  Signal 1 w4.15: v1(2515,2211) 2548,2211 2589,2252 2589,2427 2617,2455 2665,2455 2828,2292 2886,2292 2906.37,2312.37 v2(2906.37,2313)
  Signal 2 w4.15: v2@2906,2313 v2(2906.37,2313)
F_DQ16: R81.1 U2.N9 | length 780.3
  Top Layer w6: v2@2983.31,2194.46 2984.17,2193.61 U2.N9@3003,2174.78
  Top Layer w15: R81.1@2484,1971 v1(2515,1971) v1@2516,1971
  Signal 1 w4.15: v1(2515,1971) 2684,2140 2684,2231 2702,2249 2726,2249 2755,2220 2755,2175 2776,2154 2831,2154 2853,2176 2966.55,2176 v2(2984.65,2194.09)
F_DQ17: R82.1 U2.P8 | length 800
  Top Layer w6: v2(2945.28,2233.46) U2.P8@2964.96,2213.78
  Top Layer w15: R82.1@2484,2021 v1(2515,2021) v1@2516,2021
  Signal 2 w4.15: v1(2515,2021) 2515,2020 2539,1996 2539,1925 2565,1899 2669,1899 2760,1990 2760,2098 2836,2174 2912,2174 2923.31,2185.31 2923.31,2209.31 2945.28,2231.28 v2(2945.28,2233.46)